# Altium PCB Xavier_NX_Carrier_Board_v1.1.PcbDoc (part 5 of 6)
Units mm, origin at the board's own origin, x right, y up, seen from the top; angles counter-clockwise.
Board outline 106.25 x 75.1 mm, 6 copper layers (TOP, L2_GND, L3_PWR, L4_SIG, L5_GND, BOTTOM), stack 0.881 mm thick; 282 components, 291 nets, 1670 pads, 857 vias.
Unrouted connection lines stored in the file: 3.
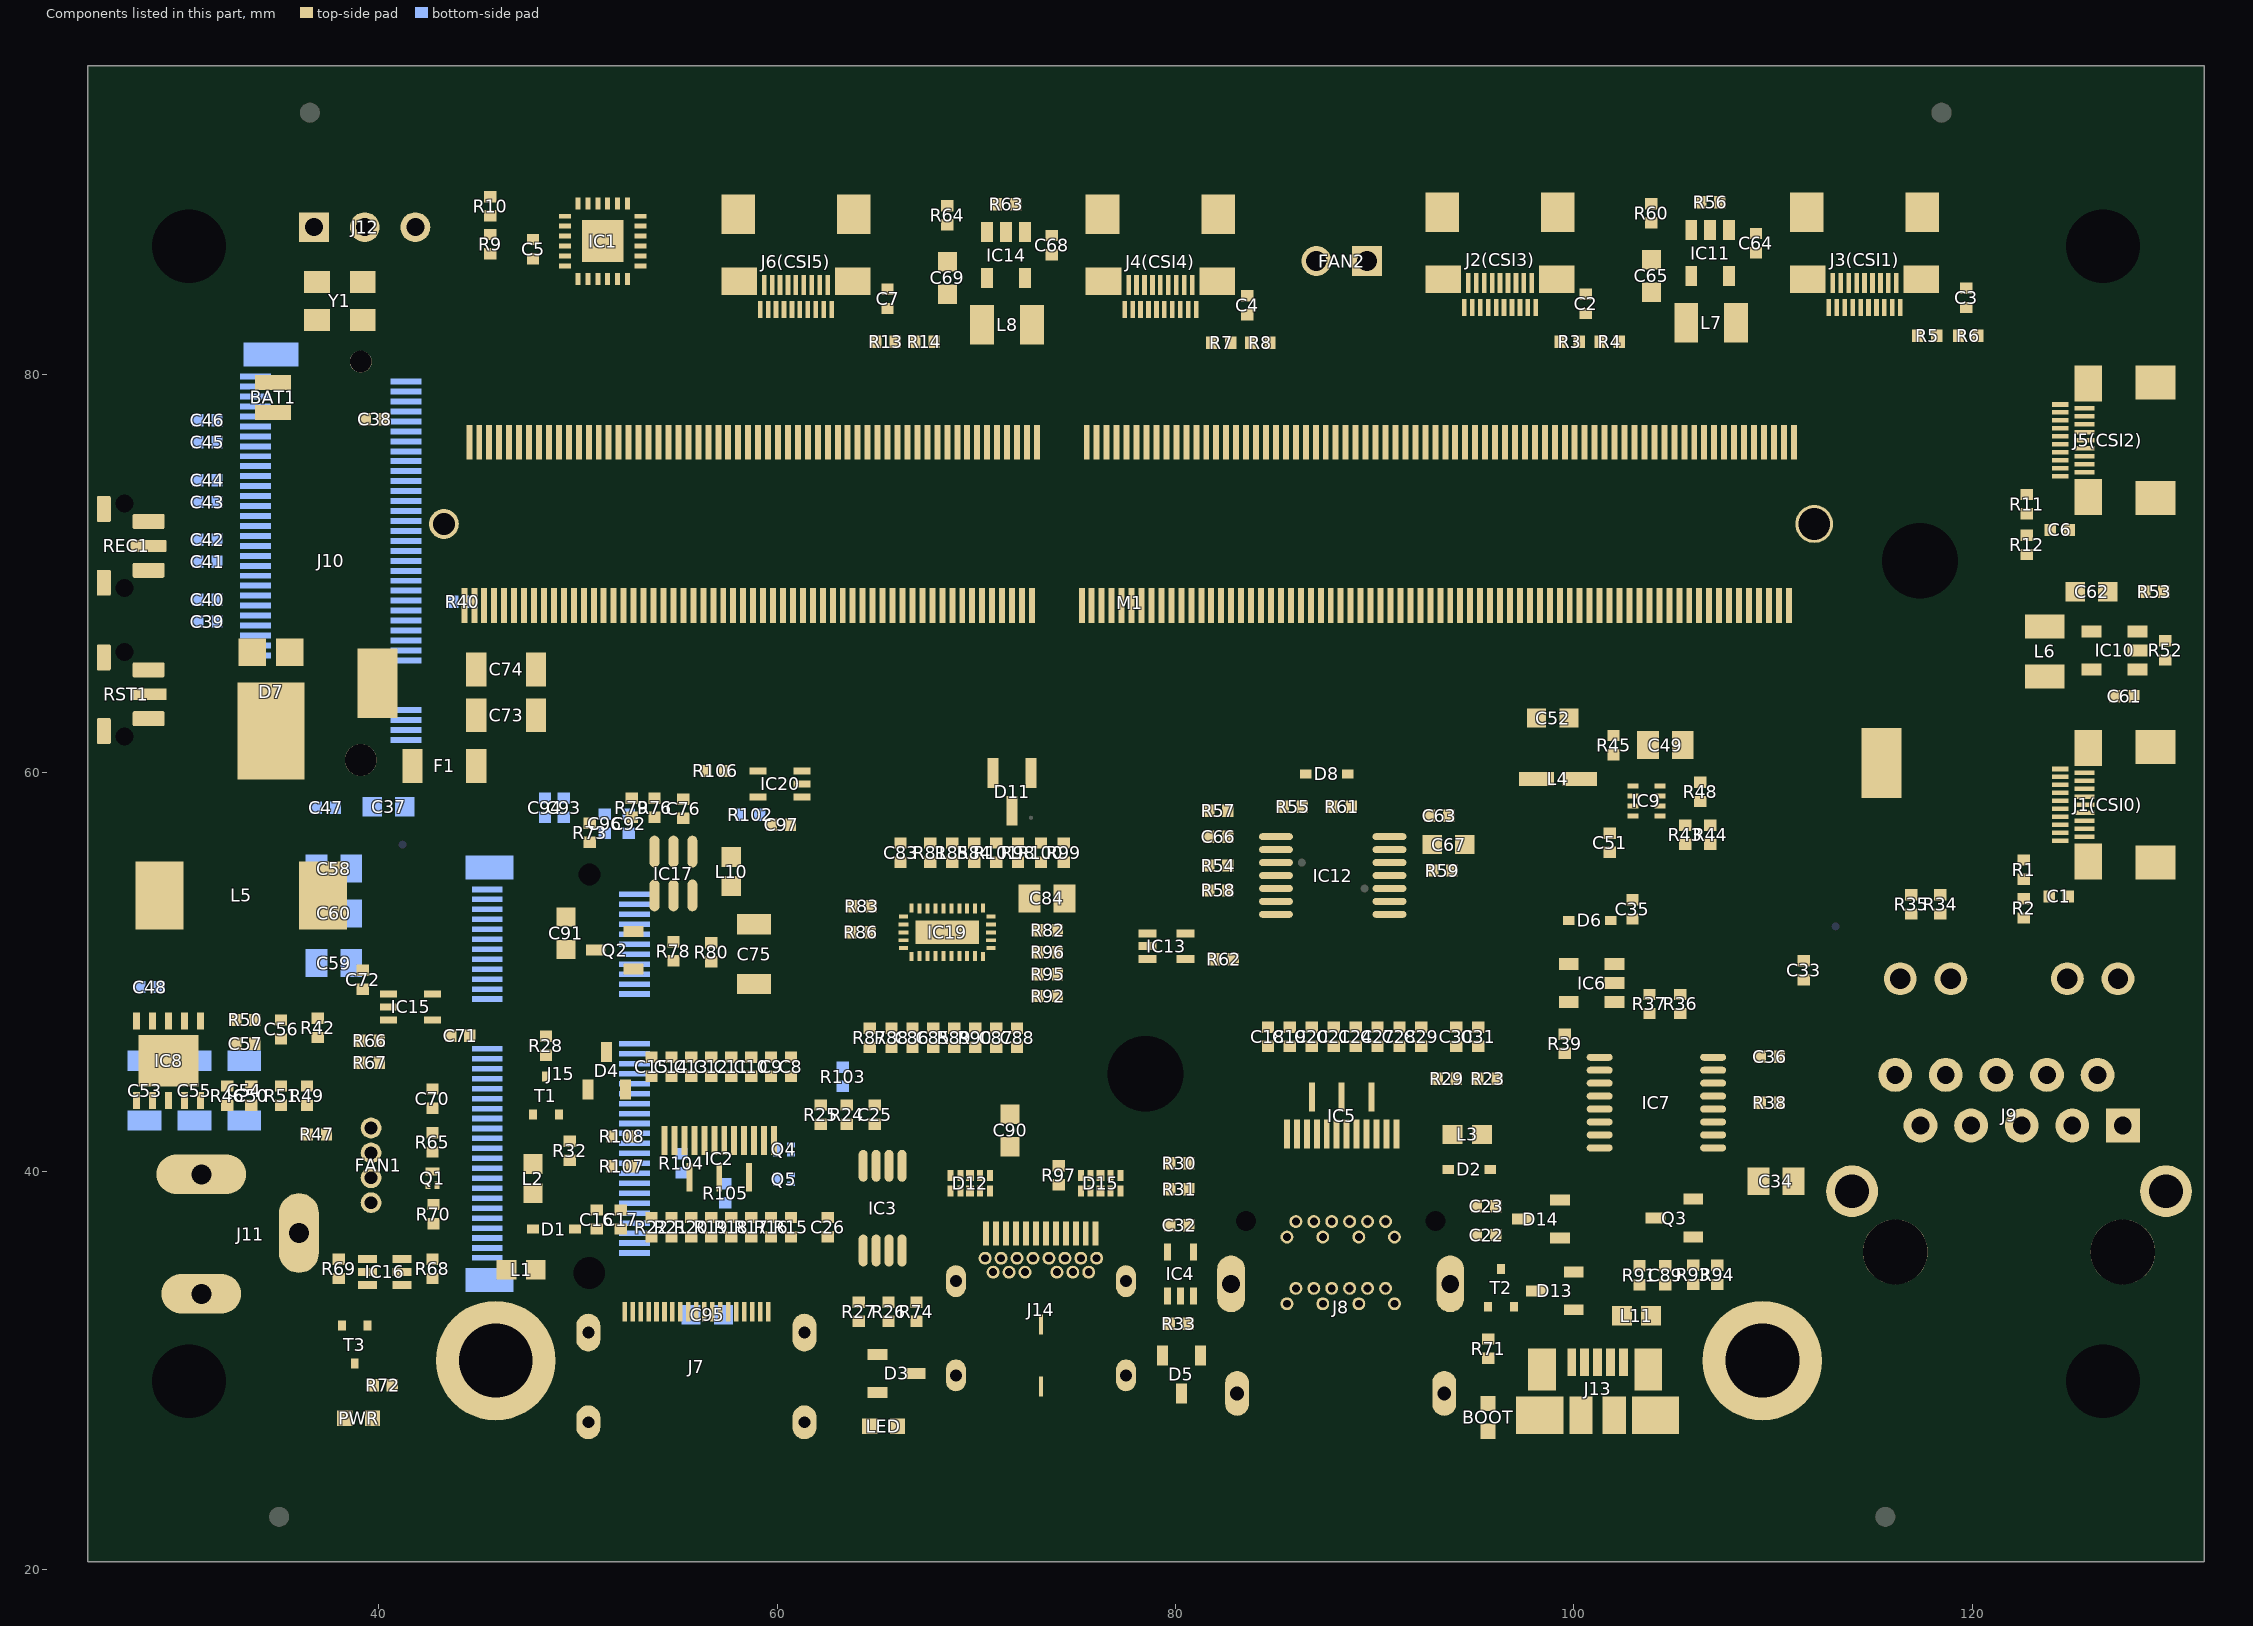
[diagram p9: the components of this part, seen from the top]

## Via types
v1: diameter 0.508, hole 0.254, TOP to BOTTOM, 857 vias

## Nets (pads, with @x,y where several pads share a name; then routed paths per layer and width w, separated by ;. In a path a pad name is that pad's centre, name@x,y a point inside that pad or via, vN(x,y) a via of type N, cw(c..) or ccw(c..) an arc to the next point about the centre after c; other vN are vias at no path point) (continued)
pads on no net: BAT1. BOOT. C1. C2. C3. C4. C5. C6. C7. C8. C9. C10. C11. C12. C13. C14. C15. C16. C17. C18. C19. C20. C21. C22. C23. C24. C25. C26. C27. C28. C29. C30. C31. C32. C33. C34. C35. C36. C37. C38. C39. C40. C41. C42. C43. C44. C45. C46. C47. C48. C49. C50. C51. C52. C53. C54. C55. C56. C57. C58. C59. C60. C61. C62. C63. C64. C65. C66. C67. C68. C69. C70. C71. C72. C73. C74. C75. C76. C83. C84. C85. C86. C87. C88. C89. C90. C91. C92. C93. C94. C95. C96. C97. D1. D2. D3. D4. D5. D5.1 D6. D7. D8. D11. D12. D13. D14. D15. F1. FAN1. FAN2. IC1. IC1.14 IC1.15 IC1.16 IC1.17 IC2. IC2.14 IC3. IC4. IC5. IC5.14 IC6. IC7. IC8. IC8.3 IC9. IC9.4 IC9.8 IC10. IC11. IC12. IC13. IC14. IC15. IC15.4 IC17. IC19. IC19.22 IC19.24 IC20. J1(CSI0). J1(CSI0).2 J1(CSI0).3 J1(CSI0).5 J2(CSI3). J2(CSI3).2 J2(CSI3).3 J2(CSI3).5 J3(CSI1). J3(CSI1).2 J3(CSI1).3 J3(CSI1).5 J4(CSI4). J4(CSI4).2 J4(CSI4).3 J4(CSI4).5 J5(CSI2). J5(CSI2).2 J5(CSI2).3 J5(CSI2).5 J6(CSI5). J6(CSI5).2 J6(CSI5).3 J6(CSI5).5 J7. J7.17 J8. J8.M J9. J10. J10.6 J10.8 J10.10 J10.20 J10.22 J10.24 J10.26 J10.28 J10.30 J10.32 J10.34 J10.36 J10.38 J10.40 J10.42 J10.46 J10.48 J10.56 J10.58 J10.67 J10.69 J10.None J11. J12. J13. J13.4 J14. J14.A8 J14.B8 J15. J15.6 J15.9 J15.11 J15.13 J15.15 J15.16 J15.17 J15.19 J15.21 J15.23 J15.38 J15.40 J15.42 J15.44 J15.46 J15.48 J15.58 J15.59 J15.60 J15.61 J15.64 J15.65 J15.66 J15.67 J15.68 J15.70 J15.71 J15.73 L1. L2. L3. L4. L5. L6. L7. L8. L10. L11. LED. M1. M1.40 M1.42 M1.64 M1.66 M1.89 M1.91 M1.93 M1.94 M1.95 M1.97 M1.104 M1.106 M1.108 M1.110 M1.112 M1.116 M1.122 M1.127 M1.143 M1.145 M1.178 M1.189 M1.191 M1.193 M1.195 M1.197 M1.199 M1.203 M1.205 M1.207 M1.209 M1.211 M1.218 M1.219 M1.223 M1.225 M1.227 M1.229 M1.232 M1.234 M1.240 M1.M PWR. Q1. Q2. Q3. Q4. Q5. R1. R2. R3. R4. R5. R6. R7. R8. R9. R10. R11. R12. R13. R14. R15. R16. R17. R18. R19. R20. R21. R22. R23. R24. R25. R26. R27. R28. R29. R30. R31. R32. R33. R34. R35. R36. R37. R38. R39. R40. R42. R43. R44. R45. R46. R47. R48. R49. R50. R51. R52. R53. R54. R55. R56. R57. R58. R59. R60. R61. R62. R63. R64. R65. R66. R67. R68. R69. R70. R71. R72. R73. R74. R76. R78. R79. R80. R81. R82. R83. R84. R85. R86. R87. R88. R89. R90. R91. R92. R93. R94. R95. R96. R97. R98. R99. R100. R101. R102. R103. R104. R105. R106. R107. R108. REC1. REC1.10 REC1.11 RST1. RST1.10 RST1.11 SP2. SP3. SP4. SP5. SP6. SP7. T1. T2. T3. Y1.
copper on no net: | length 57.5
  TOP w0.254: 36.143,22.65 ccw(c35,22.65) 36.143,22.65 ; 37.693,93.15 ccw(c36.55,93.15) 37.693,93.15 ; 116.788,22.65 ccw(c115.645,22.65) 116.788,22.65 ; 119.608,93.15 ccw(c118.465,93.15) 119.608,93.15
  BOTTOM w0.254: 36.143,22.65 ccw(c35,22.65) 36.143,22.65 ; 37.693,93.15 ccw(c36.55,93.15) 37.693,93.15 ; 116.788,22.65 ccw(c115.645,22.65) 116.788,22.65 ; 119.608,93.15 ccw(c118.465,93.15) 119.608,93.15

## Polygon pours and split planes (outlines as drawn)
no net on COMPONENT (solid, remove dead copper): -40.119,75.809 -40.745,76.809 -41.37,75.809 -40.119,75.809
no net on COMPONENT (solid, remove dead copper): -41.37,68.665 -40.745,67.665 -40.119,68.665 -41.37,68.665
no net on COMPONENT (solid, remove dead copper): -31.018,79.059 -31.629,78.05 -30.454,77.944 -31.018,79.059
no net on COMPONENT (solid, remove dead copper): -16.224,73.999 -15.599,72.999 -14.973,73.999 -16.224,73.999
no net on COMPONENT (solid, remove dead copper): -14.973,70.475 -15.599,71.475 -16.224,70.475 -14.973,70.475
no net on COMPONENT (solid, remove dead copper): -27.045,66.004 -28.045,65.379 -27.045,64.754 -27.045,66.004
no net on COMPONENT (solid, remove dead copper): -30.569,64.754 -29.569,65.379 -30.569,66.004 -30.569,64.754
no net on COMPONENT (solid, remove dead copper): -23.547,79.059 -22.937,78.05 -24.111,77.944 -23.547,79.059
GND on BOTTOM "GND_L06_P185" (solid, remove dead copper, pour order 185): 17 vertices, not listed, extent 32.8,57.7 38.05,62.7
3V3_SYS on BOTTOM "3V3_SYS_L06_P183" (solid, remove dead copper, pour order 183): 38.55,62.55 38.8,62.8 42.35,62.8 42.65,62.5 42.65,60.8 41.45,59.6 40.85,59.6 40.4,59.15 40.4,57.9 40.2,57.7 37.6,57.7 37.45,57.85 37.45,58.75 38.55,59.85
3V3_SYS on BOTTOM "3V3_SYS_L06_P180" (solid, remove dead copper, pour order 180): 17 vertices, not listed, extent 51.95,32.25 56.7,36.556
GND on BOTTOM "GND_L06_P175" (solid, remove dead copper, pour order 175): 38.25,90.5 38.05,90.3 38.05,86.9 36.4,85.25 33.9,85.25 29.9,81.25 25.4,81.25 25.4,90.55
GND on BOTTOM "GND_L06_P174" (solid, remove dead copper, pour order 174): 22 vertices, not listed, extent 52.95,52.7 131.65,90.5
no net on BOTTOM "NONET_L06_P173" (solid, remove dead copper, pour order 173): 122.55,66.05
GND on BOTTOM "GND_L06_P172" (solid, remove dead copper, pour order 172): 104.1,63.65 109.95,63.65 111.2,62.4 111.2,43.45 109.6,41.85 109.6,35.2 112.4,32.4 112.4,25.4 92.65,25.4 92.65,35.2 98.7,41.25 98.7,58.25
3V3_SYS on BOTTOM "3V3_SYS_L06_P167" (solid, remove dead copper, pour order 167): 40.7,79.9 42.65,79.9 43.05,79.5 43.05,76.35 42.2,75.5 40.6,75.5 39.867,76.233 39.867,78.367 40.5,79 40.5,79.7
GND on BOTTOM "NONET_L04_P-001" (solid, remove dead copper, pour order 146): 38.2,56.05 39.8,56.05 40.25,55.6 40.25,50.42 39.43,49.6 38.15,49.6 37.95,49.8 37.95,55.8
GND on BOTTOM "NONET_L04_P-001" (solid, remove dead copper, pour order 131): 62.75,32.75 62.75,26.6 63.45,25.9 83.45,25.9 83.95,26.4 83.95,35.4 83.5,35.85 81.8,35.85 81.1,35.15 81.1,32.75 79.5,31.15 66.05,31.15 64.1,33.1 63.05,33.1
GND on BOTTOM "GND_L06_P126" (solid, remove dead copper, pour order 126): 51.4,59.05 52.45,59.05 52.85,58.65 52.85,57.65 51.05,57.65 51.05,58.65
GND on BOTTOM "GND_L06_P124" (solid, remove dead copper, pour order 124): 27 vertices, not listed, extent 26.05,26 48.85,47.45
GND on BOTTOM "GND_L06_P118" (solid, remove dead copper, pour order 118): 44,63.45 44,61.4 44.15,61.25 45.1,61.25 47.9,64.05 47.9,65.75 47.7,65.95 45.65,65.95 45.45,65.75 45.45,63.95 45.275,63.775 44.325,63.775
3V3_SYS on BOTTOM "3V3_SYS_L06_P110" (solid, remove dead copper, pour order 110): 17 vertices, not listed, extent 50.6,53.243 53.85,57.4
HDMI_SHIELD on BOTTOM "HDMI_SHIELD_L06_P109" (solid, remove dead copper, pour order 109): 17 vertices, not listed, extent 49.15,26.05 62.45,33.1
no net on BOTTOM "NONET_L06_P107" (solid, remove dead copper, pour order 107): 43.725,36
no net on BOTTOM "NONET_L06_P105" (solid, remove dead copper, pour order 105): 52.05,36.6
no net on BOTTOM "NONET_L06_P103" (solid, remove dead copper, pour order 103): 51.95,36.6
no net on BOTTOM "NONET_L06_P102" (solid, remove dead copper, pour order 102): 51.85,36.65
no net on BOTTOM "NONET_L06_P101" (solid, remove dead copper, pour order 101): 52.05,36.6
GND on BOTTOM "GND_L06_P100" (solid, remove dead copper, pour order 100): 45.35,47.15 46.1,47.15 46.4,46.85 46.4,46.05 46.3,45.95 44.7,45.95 44.55,46.1 44.55,46.55 44.7,46.7 45.018,46.7 45.2,46.882 45.2,47.05
GND on BOTTOM "GND_L06_P099" (solid, remove dead copper, pour order 99): 44.3,56 47.15,56 47.4,55.75 47.4,54.35 47,53.95 44.55,53.95 44.2,54.3 44.2,55.9
no net on BOTTOM "NONET_L06_P096" (solid, remove dead copper, pour order 96): 51.9,54.2
no net on BOTTOM "NONET_L06_P095" (solid, remove dead copper, pour order 95): 51.75,53.95
no net on BOTTOM "NONET_L06_P078" (solid, remove dead copper, pour order 78): 39.95,62.9
GND on BOTTOM "GND_L06_P076" (solid, remove dead copper, pour order 76): 33.1,81.7 36.2,81.7 36.45,81.45 36.45,79.55 36.15,79.25 32.95,79.25 32.75,79.45 32.75,81.4
EGND on BOTTOM "EGND_L06_P073" (solid, remove dead copper, pour order 73): 112.95,40.95 114.75,40.95 116.35,39.35 127.35,39.35 129,41 130.55,41 131.25,40.3 131.25,27.45 129.95,26.15 115.05,26.15 114,27.2 114,34.85 112.2,36.65 112.2,40.25
5V0_SYS on BOTTOM "5V0_SYS_L06_P026" (solid, remove dead copper, pour order 26): 33.85,55.3 34.6,56.05 37.35,56.05 37.7,55.7 37.7,49.7 38,49.4 39.3,49.4 39.6,49.1 39.6,47.6 39.3,47.3 35.85,47.3 33.85,49.3 33.85,51.7
no net on BOTTOM "NONET_L06_P025" (solid, remove dead copper, pour order 25): 33.85,55.3
VIN on BOTTOM "VIN_L06_P004" (solid, remove dead copper, pour order 4): 27.1,43.65 33.85,43.65 34.4,43.1 34.4,39 33.85,38.45 27.2,38.45 26.65,39 26.65,43.1
no net on BOTTOM "NONET_L06_P003" (solid, remove dead copper, pour order 3): 27.15,43.9
GND on TOP "GND_L01_P168" (solid, remove dead copper, pour order 168): 48 vertices, not listed, extent 25.4,57 43.7,90.55
GND on TOP "GND_L01_P179" (solid, remove dead copper, pour order 179): 100.7,56.2 100.95,56.45 103.15,56.45 103.35,56.25 103.35,55.5 103.15,55.3 100.95,55.3 100.7,55.55
5V0_SYS on TOP "5V0_SYS_L01_P178" (solid, remove dead copper, pour order 178): 19 vertices, not listed, extent 99.45,56.6 103.35,58.55
GND on TOP "GND_L01_P171" (solid, remove dead copper, pour order 171): 35 vertices, not listed, extent 74.15,83.35 102.45,90.5
GND on TOP "GND_L01_P170" (solid, remove dead copper, pour order 170): 17 vertices, not listed, extent 127.7,52 131.65,65.1
GND on TOP "GND_L01_P169" (solid, remove dead copper, pour order 169): 28 vertices, not listed, extent 107.65,70.15 131.65,90.5
USBC_VBUS on TOP "USBC_VBUS_L01_P166" (solid, remove dead copper, pour order 166): 56.95,57.4 58.3,57.4 58.4,57.3 58.4,55.4 58.2,55.2 57.1,55.2 56.9,55.4 56.9,56.5 56.8,56.6 56.8,57.25
5V0_SYS on TOP "5V0_SYS_L01_P154" (solid, remove dead copper, pour order 154): 19 vertices, not listed, extent 54.85,55.2 56.55,59.55
GND on TOP "GND_L01_P165" (solid, remove dead copper, pour order 165): 67.2,86.6 67.7,86.6 68,86.3 69,86.3 69.1,86.2 69.1,85.15 69,85.05 67.2,85.05 67.05,85.2 67.05,86.45
GND on TOP "GND_L01_P164" (solid, remove dead copper, pour order 164): 102.25,86.6 102.5,86.85 104.35,86.85 104.6,86.6 104.6,85.45 104.35,85.2 102.55,85.2 102.25,85.5
3V3_CSI3 on TOP "3V3_CSI3_L01_P163" (solid, remove dead copper, pour order 163): 17 vertices, not listed, extent 67.95,81.4 71.05,84.7
3V3_CSI2 on TOP "3V3_CSI2_L01_P162" (solid, remove dead copper, pour order 162): 103,81.65 103.2,81.45 106.25,81.45 106.5,81.7 106.5,83.75 106.1,84.15 104.85,84.15 104.6,84.4 104.6,84.65 104.45,84.8 103.25,84.8 103,84.55
GND on TOP "GND_L01_P161" (solid, remove dead copper, pour order 161): 126.5,70.75 126.2,70.45 126.2,68.65 126.5,68.35 127.65,68.35 127.95,68.65 127.95,70.35 127.55,70.75
no net on TOP "NONET_L01_P160" (solid, remove dead copper, pour order 160): 126.2,70.5
3V3_CSI1 on TOP "3V3_CSI1_L01_P159" (solid, remove dead copper, pour order 159): 122.7,70 122.5,69.8 122.5,66.75 122.75,66.5 124.8,66.5 125.2,66.9 125.2,68.15 125.45,68.4 125.7,68.4 125.85,68.55 125.85,69.75 125.6,70
no net on TOP "NONET_L01_P158" (solid, remove dead copper, pour order 158): 122.95,69.95
no net on TOP "NONET_L01_P157" (solid, remove dead copper, pour order 157): 122.5,69.8
GND on TOP "GND_L01_P156" (solid, remove dead copper, pour order 156): 23 vertices, not listed, extent 102.55,58.6 105.4,60.25
GND on TOP "GND_L01_P155" (solid, remove dead copper, pour order 155): 57.9,50.05 60.85,50.05 61.1,49.8 61.1,48.65 60.85,48.4 57.95,48.4 57.7,48.65 57.7,49.8
no net on TOP "NONET_L01_P153" (solid, remove dead copper, pour order 153): 54.9,59.2
GND on TOP "GND_L01_P151" (solid, remove dead copper, pour order 151): 54.4,57.95 54.5,58.05 55.6,58.05 55.65,58 55.65,57.4 55.6,57.35 55.3,57.35 55.15,57.2 55.15,55.3 55.05,55.2 54.6,55.2 54.4,55.4
5V0_SYS on TOP "5V0_SYS_L01_P029" (solid, remove dead copper, pour order 29): 34.6,56.05 36.25,56.05 40.2,60 40.2,60.6 41.25,61.65 42.1,61.65 42.35,61.4 42.35,54.95 37.15,49.75 34.6,49.75 33.85,50.5 33.85,55.3
3V3_SYS on TOP "NONET_L04_P-001" (solid, remove dead copper, pour order 144): 23 vertices, not listed, extent 94.8,59.2 104.4,63.5
GND on TOP "NONET_L04_P-001" (solid, remove dead copper, pour order 143): 99.2,63.45 101.1,63.45 101.2,63.35 101.2,62 101.1,61.9 99.2,61.9 99.1,62 99.1,63.35
GND on TOP "NONET_L04_P-001" (solid, remove dead copper, pour order 136): 113,71.35 115.55,73.9 119.3,73.9 120.85,72.35 120.85,58.65 118.6,56.4 114.8,56.4 114.7,56.5 113,58.2
GND on TOP "NONET_L04_P-001" (solid, remove dead copper, pour order 132): 18 vertices, not listed, extent 25.4,25.4 38.15,40.8
5V0_SYS on TOP "NONET_L04_P-001" (solid, remove dead copper, pour order 130): 77.85,53.25 79.15,53.25 79.45,52.95 79.45,52.575 79.675,52.35 80.95,52.35 81.1,52.2 81.1,51.8 81,51.7 77.8,51.7 77.65,51.85 77.65,53.05
GND on TOP "GND_L01_P129" (solid, remove dead copper, pour order 129): 68.85,32.15 68.45,31.75 68.45,25.4 83.95,25.4 83.95,34.35 83,35.3 79.9,35.3 78.75,34.15 78.75,32.6 78.3,32.15
no net on TOP "NONET_L01_P127" (solid, remove dead copper, pour order 127): 68.85,32.65
GND on TOP "GND_L01_P122" (solid, remove dead copper, pour order 122): 33.65,47.05 35.35,47.05 35.45,46.95 35.45,46.35 35.35,46.25 34.55,46.25 34.35,46.05 33.55,46.05 33.4,46.2 33.4,46.8
5V0_SYS on TOP "5V0_SYS_L01_P121" (solid, remove dead copper, pour order 121): 71.4,54.4 71.5,54.5 73.25,54.5 73.35,54.4 73.35,53 73.2,52.85 71.55,52.85 71.4,53
no net on TOP "NONET_L01_P119" (solid, remove dead copper, pour order 119): 70.5,52.5
GND on TOP "GND_L01_P094" (solid, remove dead copper, pour order 94): 17 vertices, not listed, extent 60.3,57 62.2,60.65
NetC75_2 on TOP "NETC75_2_L01_P091" (solid, remove dead copper, pour order 91): 17 vertices, not listed, extent 55.4,51.65 60.3,54.85
no net on TOP "NONET_L01_P088" (solid, remove dead copper, pour order 88): 99.45,58.5
NETIC9_6 on TOP "NETIC9_6_L01_P087" (solid, remove dead copper, pour order 87): 99.45,60.2 101.2,60.2 102.35,59.05 103.25,59.05 103.35,58.95 103.35,58.75 103.25,58.65 102.15,58.65 101.95,58.85 99.45,58.85 99.3,59 99.3,60.05
SHIELD_OTG on TOP "SHIELD_OTG_L01_P086" (solid, remove dead copper, pour order 86): 19 vertices, not listed, extent 96.75,26.3 105.5,33.55
VDD_MOD on TOP "VDD_MOD_L01_P084" (solid, remove dead copper, pour order 84): 44.05,70.05 46.3,70.05 46.5,69.85 46.5,67.465 46.3,67.265 46.3,60.1 45.6,59.4 44.25,59.4 43.6,60.05 43.6,69.6
VDD_MOD on TOP "VDD_MOD_L01_P083" (solid, remove dead copper, pour order 83): 43.2,78.2 43.45,78.45 46.45,78.45 46.7,78.2 46.7,75.75 46.6,75.65 43.5,75.65 43.2,75.95
3V3_SYS on TOP "3V3_SYS_L01_P082" (solid, remove dead copper, pour order 82): 39.95,78.15 40,78.2 40.55,78.2 40.7,78.05 40.7,76.25 40.55,76.1 40.05,76.1 39.867,76.283 39.867,78.054
GND on TOP "GND_L01_P074" (solid, remove dead copper, pour order 74): 108.4,40.6 109.75,40.6 110.05,40.3 110.05,37.8 112.9,34.95 112.9,28.65 111.05,26.8 108.3,26.8 106.15,28.95 106.15,32 108.5,34.35 108.5,37.6 108.1,38 108.1,40.3
EGND on TOP "EGND_L01_P072" (solid, remove dead copper, pour order 72): 110.35,40.8 110.55,41 114.7,41 116.45,39.25 127.45,39.25 129.2,41 130.5,41 131.05,40.45 131.05,27.3 129.9,26.15 115.25,26.15 114.2,27.2 114.2,34.45 110.35,38.3
GND on TOP "GND_L01_P068" (solid, remove dead copper, pour order 68): 43.85,36.15 43.9,36.2 46.9,36.2 47,36.1 47,33.95 49,31.95 49,28.55 47.65,27.2 43.65,27.2 42.3,28.55 42.3,34.75 42.6,35.05 43.35,35.05 43.6,35.3 43.6,35.85
HDMI_SHIELD on TOP "HDMI_SHIELD_L01_P067" (solid, remove dead copper, pour order 67): 24 vertices, not listed, extent 47.3,26.2 62.4,35.8
no net on TOP "NONET_L01_P065" (solid, remove dead copper, pour order 65): 49.8,33.2
no net on TOP "NONET_L01_P064" (solid, remove dead copper, pour order 64): 49.7,33.25
3V3_SYS on TOP "3V3_SYS_L01_P063" (solid, remove dead copper, pour order 63): 100.55,46.3 102.4,46.3 102.7,46 102.7,45.15 102.4,44.85 100.6,44.85 100.3,45.15 100.3,46
GND on TOP "GND_L01_P062" (solid, remove dead copper, pour order 62): 100.4,44.65 102.2,44.65 103.5,43.35 107.6,43.35 107.8,43.15 107.8,40.8 107.6,40.6 106.5,40.6 106.2,40.3 105.35,40.3 105.15,40.1 100.3,40.1 100.1,40.3 100.1,44.35
3V3_CSI1 on TOP "3V3_CSI1_L01_P060" (solid, remove dead copper, pour order 60): 123.95,56.75 124.85,56.75 124.9,56.7 124.9,56.25 124.25,55.6 124.25,53.5 124.15,53.4 123.55,53.4 123.5,53.45 123.5,55.5 123.85,55.85 123.85,56.65
3V3_CSI1 on TOP "3V3_CSI1_L01_P059" (solid, remove dead copper, pour order 59): 124,75.05 124.85,75.05 124.9,75 124.9,74.7 124.3,74.1 124.3,71.85 124.2,71.75 123.65,71.75 123.55,71.85 123.55,73.6 123.75,73.8 123.75,74.8
3V3_CSI2 on TOP "3V3_CSI2_L01_P057" (solid, remove dead copper, pour order 57): 116.35,83.85 120,83.85 120.1,83.75 120.1,82.95 120,82.85 116.35,82.85 116.25,82.95 116.25,83.75
NETIC10_6 on TOP "NETIC10_6_L01_P056" (solid, remove dead copper, pour order 56): 126.3,65.8 126.7,65.4 126.7,64.6 126.3,64.2 122.65,64.2 122.25,64.6 122.25,65.4 122.3,65.45 122.65,65.8
5V0_SYS on TOP "5V0_SYS_L01_P054" (solid, remove dead copper, pour order 54): 128.85,65.55 128.85,64.7 128.45,64.3 128.45,63.6 128.35,63.5 127.85,63.5 127.75,63.6 127.75,65.5 127.85,65.6 128.8,65.6
NetIC14_6 on TOP "NETIC14_6_L01_P049" (solid, remove dead copper, pour order 49): 71.85,85.15 72.05,85.35 73,85.35 73.45,84.9 73.45,81.5 73.05,81.1 72.25,81.1 72.2,81.15 71.85,81.5
3V3_CSI2 on TOP "3V3_CSI2_L01_P053" (solid, remove dead copper, pour order 53): 98,83.8 98.05,83.85 98.5,83.85 98.85,83.5 101.35,83.5 101.6,83.25 101.6,82.9 101.35,82.65 99.2,82.65 98.95,82.9 98.05,82.9 98,82.95
NetIC11_6 on TOP "NETIC11_6_L01_P052" (solid, remove dead copper, pour order 52): 107.2,85.25 107.6,85.65 108.4,85.65 108.8,85.25 108.8,81.6 108.4,81.2 107.6,81.2 107.55,81.25 107.2,81.6
5V0_SYS on TOP "5V0_SYS_L01_P050" (solid, remove dead copper, pour order 50): 107.45,87.8 108.3,87.8 108.7,87.4 109.4,87.4 109.5,87.3 109.5,86.8 109.4,86.7 107.5,86.7 107.4,86.8 107.4,87.75
5V0_SYS on TOP "5V0_SYS_L01_P047" (solid, remove dead copper, pour order 47): 72.1,87.7 72.95,87.7 73.35,87.3 74.05,87.3 74.15,87.2 74.15,86.7 74.05,86.6 72.15,86.6 72.05,86.7 72.05,87.65
3V3_CSI3 on TOP "3V3_CSI3_L01_P044" (solid, remove dead copper, pour order 44): 80.95,83.65 81,83.7 81.7,83.7 82.05,83.35 83.9,83.35 84,83.25 84,82.65 83.95,82.6 81.2,82.6 80.95,82.85
3V3_CSI3 on TOP "3V3_CSI3_L01_P041" (solid, remove dead copper, pour order 41): 62.65,83.7 62.65,82.85 62.75,82.75 65.75,82.75 65.95,82.95 65.95,83.5 65.75,83.7
no net on TOP "NONET_L01_P040" (solid, remove dead copper, pour order 40): 62.55,83.85
no net on TOP "NONET_L01_P039" (solid, remove dead copper, pour order 39): 62.55,83.85
GND on TOP "GND_L01_P038" (solid, remove dead copper, pour order 38): 17 vertices, not listed, extent 46.5,61.9 49.1,70.25
1V8_SYS on TOP "1V8_SYS_L01_P036" (solid, remove dead copper, pour order 36): 17 vertices, not listed, extent 41.1,45.6 43.95,49.2
GND on TOP "GND_L01_P037" (solid, remove dead copper, pour order 37): 39.9,48.55 41.05,48.55 41.25,48.75 41.25,50.45 41.3,50.5 42.2,50.5 42.25,50.45 42.25,49.6 41.9,49.25 41.9,48.05 41.8,47.95 39.85,47.95 39.8,48 39.8,48.45
5V0_SYS on TOP "5V0_SYS_L01_P035" (solid, remove dead copper, pour order 35): 35.05,49.5 34.8,49.25 34.8,48.65 35.05,48.4 37.3,48.4 38.1,47.6 39.4,47.6 39.6,47.8 39.6,48.5 39.75,48.65 41,48.65 41.1,48.75 41.1,49.35 40.95,49.5
no net on TOP "NONET_L01_P034" (solid, remove dead copper, pour order 34): 34.75,49.45